# KiCad board PANEL_DRY_ELECTRODES.kicad_pcb (continued)
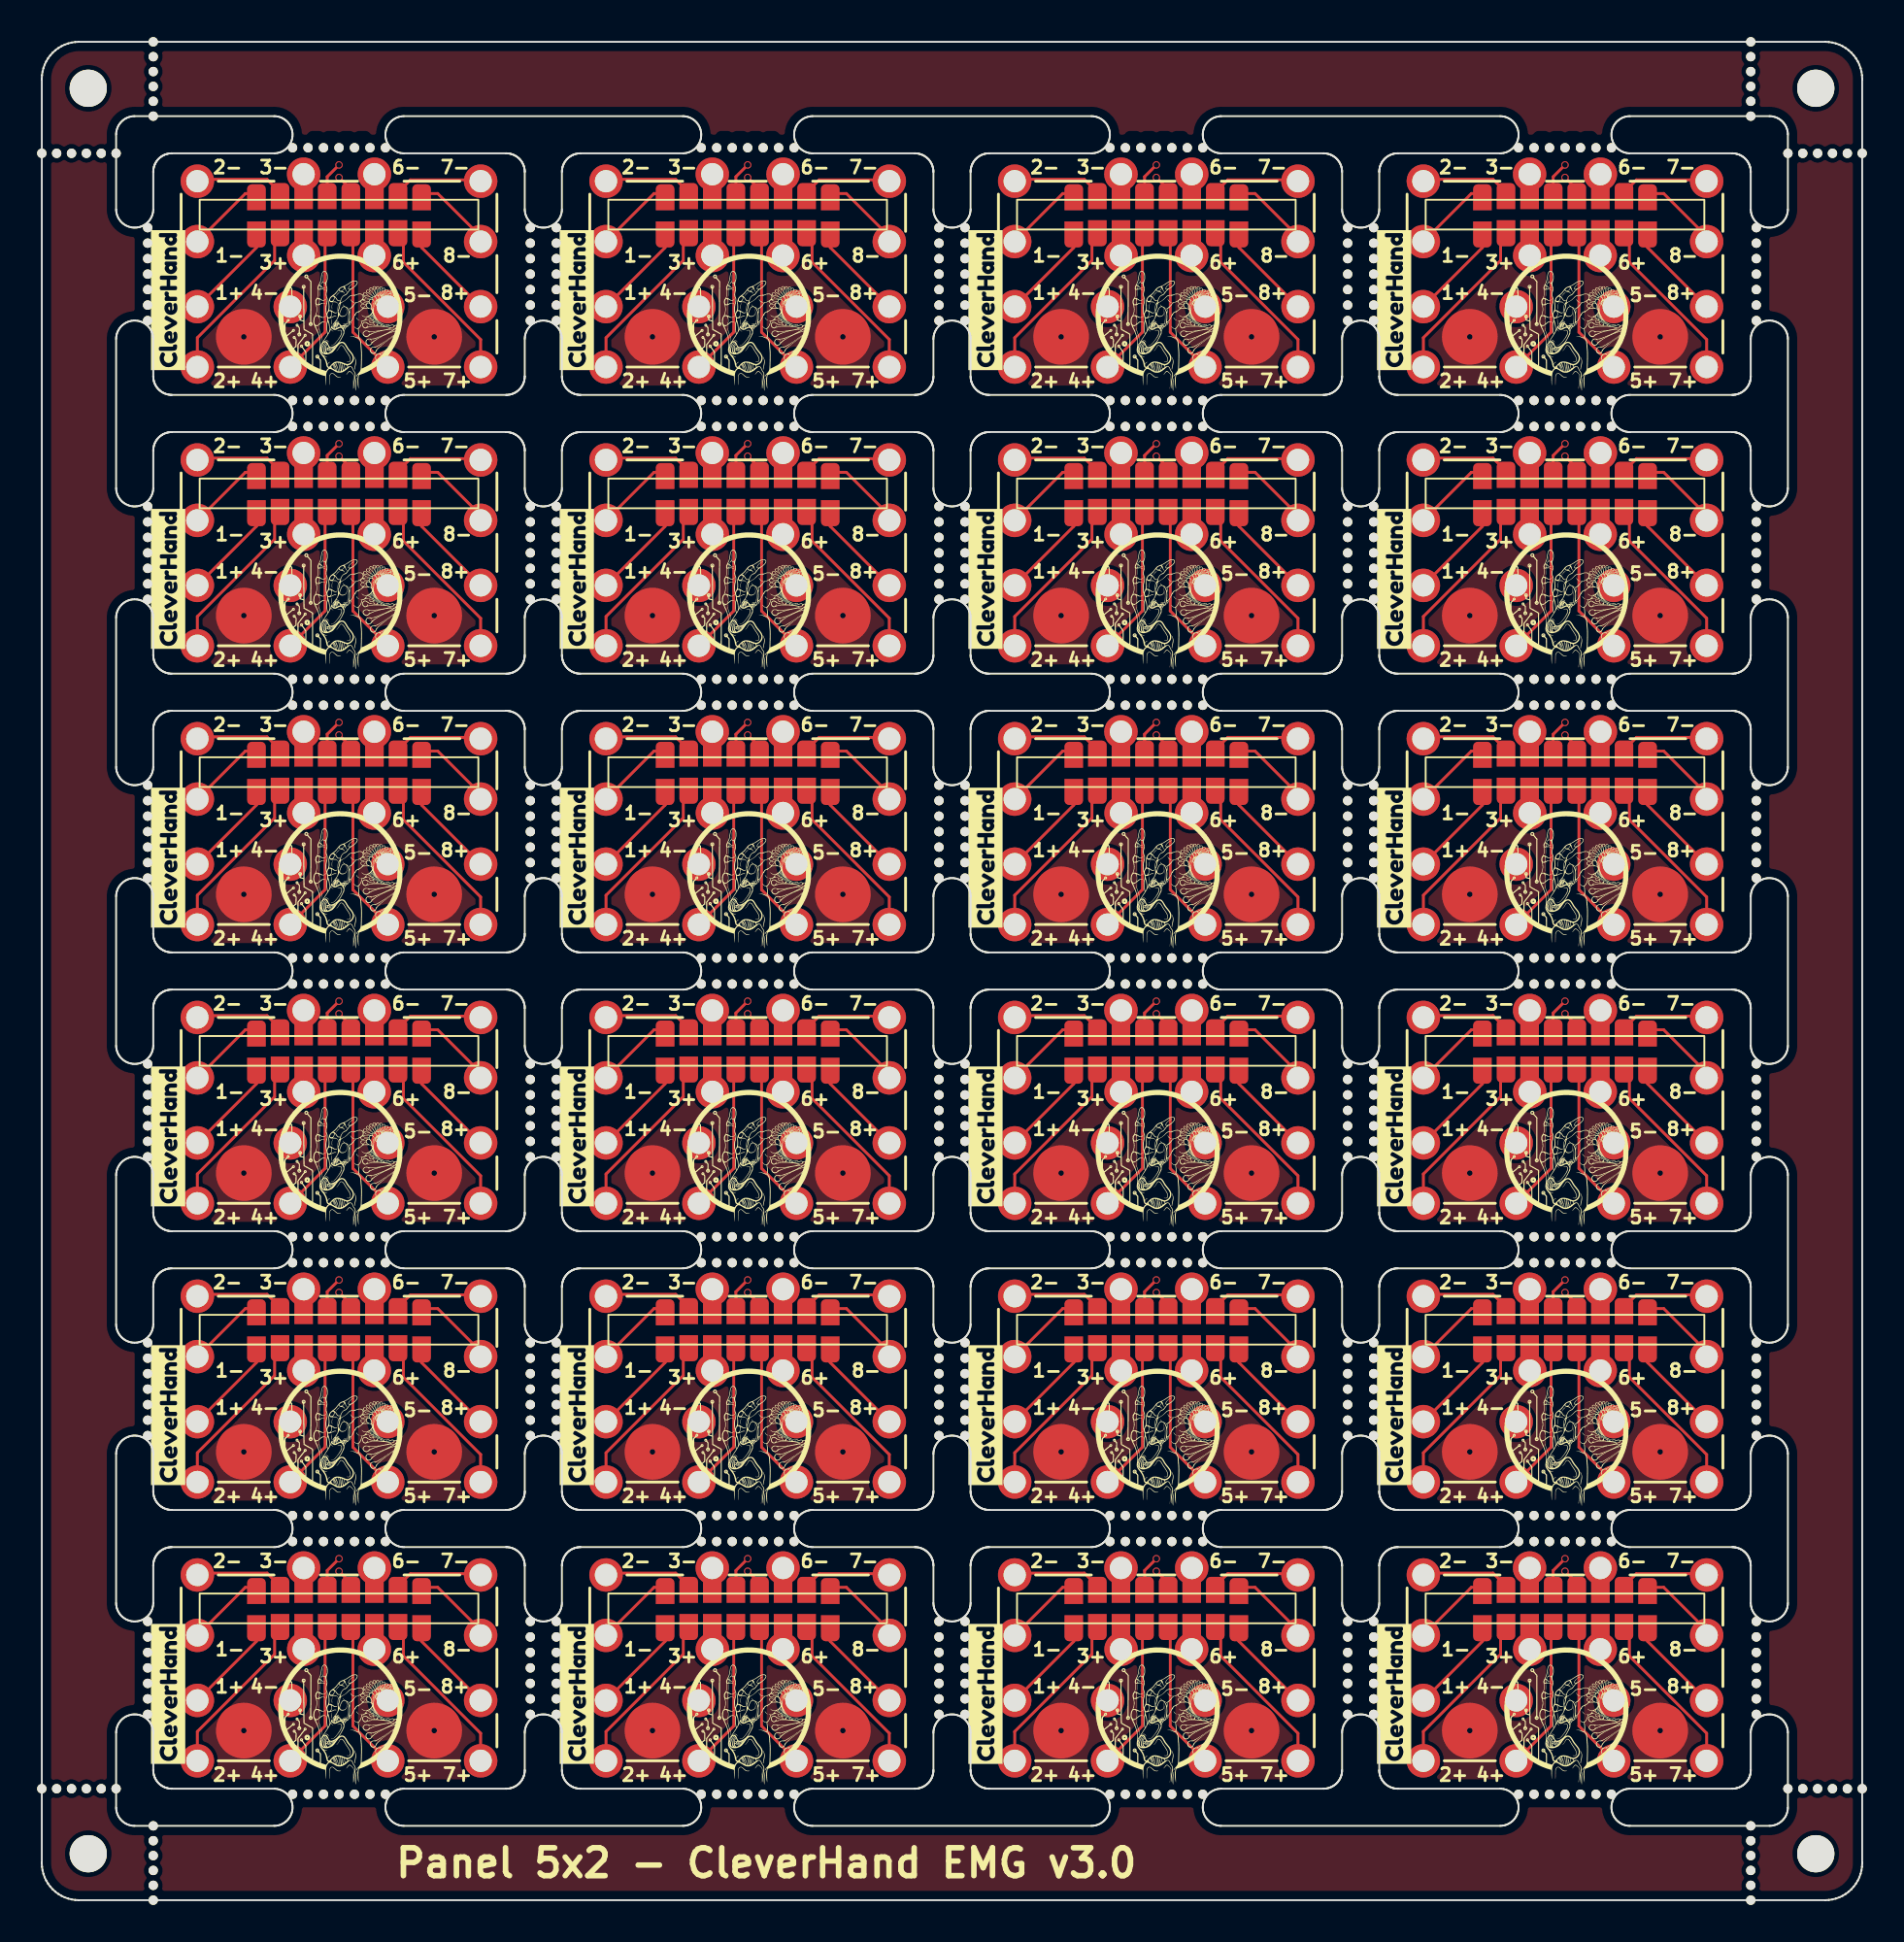
[diagram p0: board, top side]
## Routing (per net, layer and track width the routed paths; a pad name or vN(x,y) marks a point on that pad's centre or on a via; arc(x,y) is an arc through that point) (continued)
Board_22-/in1-: length 4.3
  Top w0.152: J17#4.1 54.96,16.83 J1#15.1
Board_22-/in2+: length 8.8
  Top w0.152: J10#17.1 56.53,14.21 56.53,13.23 52.38,9.08 J26#19.1
Board_22-/in2-: length 4.8
  Top w0.152: J18#12.1 52.48,17.6 56.12,17.6 J2#18.1
Board_22-/in4+: length 7.8
  Top w0.152: J28#11.1 59.25,9.38 59.25,14.5
Board_22-/in4-: length 10.5
  Top w0.152: v1(60,18.38) 59.37,17.74 J4#14.1
  In2.Cu w0.152: v1(60,18.38) 59.57,17.95 59.57,12.95 J20#22.1
Board_22-/in5+: length 7.8
  Top w0.152: 60.75,14.5 60.75,9.38 J29#2.1
Board_22-/in5-: length 9.1
  Top w0.152: v1(60,17.7) 60.63,17.06 J5#21.1
  In2.Cu w0.152: J21#17.1 60.6,12.78 60.6,17.1 v1(60,17.7)
Board_22-/in7+: length 8.8
  Top w0.152: J31#9.1 67.62,8.98 63.47,13.14 63.47,14.21 J15#18.1
Board_22-/in7-: length 4.8
  Top w0.152: J7#11.1 63.85,17.57 67.55,17.57 J23#24.1
Board_22-/in8+: length 5
  Top w0.152: J32#16.1 64.44,13.93 J16#6.1
Board_22-/in8-: length 4.4
  Top w0.152: J24#7.1 67.62,14.53 65.31,16.83 J8#22.1
Board_22-GND:
  vias: v1(54.88,9.12) v1(65.12,9.12)
Board_23-/in1+: length 5
  Top w0.152: J25#14.1 77.56,13.93 J9#8.1
Board_23-/in1-: length 4.3
  Top w0.152: J17#20.1 76.96,16.83 J1#4.1
Board_23-/in2+: length 8.8
  Top w0.152: J26#15.1 74.38,9.08 78.53,13.23 78.53,14.21 J10#6.1
Board_23-/in2-: length 4.8
  Top w0.152: J2#15.1 78.12,17.6 74.47,17.6 J18#2.1
Board_23-/in4+: length 7.8
  Top w0.152: 81.25,14.5 81.25,9.38 J28#8.1
Board_23-/in4-: length 10.5
  Top w0.152: J4#16.1 81.37,17.74 v1(82,18.38)
  In2.Cu w0.152: J20#16.1 81.57,12.95 81.57,17.95 v1(82,18.38)
Board_23-/in5+: length 7.8
  Top w0.152: 82.75,14.5 82.75,9.38 J29#20.1
Board_23-/in5-: length 9.1
  Top w0.152: J5#2.1 82.63,17.06 v1(82,17.7)
  In2.Cu w0.152: J21#9.1 82.6,12.78 82.6,17.1 v1(82,17.7)
Board_23-/in7+: length 8.8
  Top w0.152: J31#15.1 89.62,8.98 85.47,13.14 85.47,14.21 J15#19.1
Board_23-/in7-: length 4.8
  Top w0.152: J23#4.1 89.55,17.57 85.85,17.57 J7#9.1
Board_23-/in8+: length 5
  Top w0.152: J32#7.1 86.44,13.93 J16#7.1
Board_23-/in8-: length 4.4
  Top w0.152: J8.1 87.31,16.83 89.62,14.53 J24#2.1
Board_23-GND:
  vias: v1(76.88,9.12) v1(87.12,9.12)

## Copper pours and planes (outline as drawn; the poured copper is in the pictures)
(no net) on Top: 0.53,1.71 0.57,1.56 0.61,1.43 0.68,1.29 0.75,1.17 0.84,1.05 0.94,0.94 1.05,0.84 1.17,0.75 1.29,0.68 1.43,0.61 1.56,0.57 1.71,0.53 1.85,0.51 2.02,0.5 95.98,0.5 96.15,0.51 96.29,0.53 96.44,0.57 96.57,0.61 96.71,0.68 96.83,0.75 96.95,0.84 97.06,0.94 97.16,1.05 97.25,1.17 97.32,1.29 97.39,1.43 97.43,1.56 97.47,1.71 97.49,1.85 97.5,2.02 97.5,97.98 97.49,98.15 97.47,98.29 97.43,98.44 97.39,98.57 97.32,98.71 97.25,98.83 97.16,98.95 97.06,99.06 96.95,99.16 96.83,99.25 96.71,99.32 96.57,99.39 96.44,99.43 96.29,99.47 96.15,99.49 95.98,99.5 2.02,99.5 1.85,99.49 1.71,99.47 1.56,99.43 1.43,99.39 1.29,99.32 1.17,99.25 1.05,99.16 0.94,99.06 0.84,98.95 0.75,98.83 0.68,98.71 0.61,98.57 0.57,98.44 0.53,98.29 0.51,98.15 0.5,97.98 0.5,2.02 0.51,1.85 ; 1 cut-out
(no net) on Bottom: 0.53,1.71 0.57,1.56 0.61,1.43 0.68,1.29 0.75,1.17 0.84,1.05 0.94,0.94 1.05,0.84 1.17,0.75 1.29,0.68 1.43,0.61 1.56,0.57 1.71,0.53 1.85,0.51 2.02,0.5 95.98,0.5 96.15,0.51 96.29,0.53 96.44,0.57 96.57,0.61 96.71,0.68 96.83,0.75 96.95,0.84 97.06,0.94 97.16,1.05 97.25,1.17 97.32,1.29 97.39,1.43 97.43,1.56 97.47,1.71 97.49,1.85 97.5,2.02 97.5,97.98 97.49,98.15 97.47,98.29 97.43,98.44 97.39,98.57 97.32,98.71 97.25,98.83 97.16,98.95 97.06,99.06 96.95,99.16 96.83,99.25 96.71,99.32 96.57,99.39 96.44,99.43 96.29,99.47 96.15,99.49 95.98,99.5 2.02,99.5 1.85,99.49 1.71,99.47 1.56,99.43 1.43,99.39 1.29,99.32 1.17,99.25 1.05,99.16 0.94,99.06 0.84,98.95 0.75,98.83 0.68,98.71 0.61,98.57 0.57,98.44 0.53,98.29 0.51,98.15 0.5,97.98 0.5,2.02 0.51,1.85 ; 1 cut-out
Board_0-/in1+ on Bottom: 6,87.25 10.75,87.25 10.75,84.25 6,84.25
Board_0-/in1- on Bottom: 6,90.75 10.75,90.75 10.75,87.75 6,87.75
Board_0-/in2+ on Bottom: 6,84 10.75,84 10.75,81 6,81
Board_0-/in2- on Bottom: 6,94 10.75,94 10.75,91 6,91
Board_0-/in3+ on Bottom: 11,90.75 15.75,90.75 15.75,87.75 11,87.75
Board_0-/in3- on Bottom: 11,94 15.75,94 15.75,91 11,91
Board_0-/in4+ on Bottom: 11,84 15.75,84 15.75,81 11,81
Board_0-/in4- on Bottom: 11,87.25 15.75,87.25 15.75,84.25 11,84.25
Board_0-/in5+ on Bottom: 16.25,84 21,84 21,81 16.25,81
Board_0-/in5- on Bottom: 16.25,87.25 21,87.25 21,84.25 16.25,84.25
Board_0-/in6+ on Bottom: 16.25,90.75 21,90.75 21,87.75 16.25,87.75
Board_0-/in6- on Bottom: 16.25,94 21,94 21,91 16.25,91
Board_0-/in7+ on Bottom: 21.25,84 26,84 26,81 21.25,81
Board_0-/in7- on Bottom: 21.25,94 26,94 26,91 21.25,91
Board_0-/in8+ on Bottom: 21.25,87.25 26,87.25 26,84.25 21.25,84.25
Board_0-/in8- on Bottom: 21.25,90.75 26,90.75 26,87.75 21.25,87.75
Board_0-GND on Top, In1.Cu, In2.Cu: 5.5,95 26.5,95 26.5,80.5 5.5,80.5
Board_1-/in1+ on Bottom: 28,87.25 32.75,87.25 32.75,84.25 28,84.25
Board_1-/in1- on Bottom: 28,90.75 32.75,90.75 32.75,87.75 28,87.75
Board_1-/in2+ on Bottom: 28,84 32.75,84 32.75,81 28,81
Board_1-/in2- on Bottom: 28,94 32.75,94 32.75,91 28,91
Board_1-/in3+ on Bottom: 33,90.75 37.75,90.75 37.75,87.75 33,87.75
Board_1-/in3- on Bottom: 33,94 37.75,94 37.75,91 33,91
Board_1-/in4+ on Bottom: 33,84 37.75,84 37.75,81 33,81
Board_1-/in4- on Bottom: 33,87.25 37.75,87.25 37.75,84.25 33,84.25
Board_1-/in5+ on Bottom: 38.25,84 43,84 43,81 38.25,81
Board_1-/in5- on Bottom: 38.25,87.25 43,87.25 43,84.25 38.25,84.25
Board_1-/in6+ on Bottom: 38.25,90.75 43,90.75 43,87.75 38.25,87.75
Board_1-/in6- on Bottom: 38.25,94 43,94 43,91 38.25,91
Board_1-/in7+ on Bottom: 43.25,84 48,84 48,81 43.25,81
Board_1-/in7- on Bottom: 43.25,94 48,94 48,91 43.25,91
Board_1-/in8+ on Bottom: 43.25,87.25 48,87.25 48,84.25 43.25,84.25
Board_1-/in8- on Bottom: 43.25,90.75 48,90.75 48,87.75 43.25,87.75
Board_1-GND on Top, In1.Cu, In2.Cu: 27.5,95 48.5,95 48.5,80.5 27.5,80.5
Board_2-/in1+ on Bottom: 50,87.25 54.75,87.25 54.75,84.25 50,84.25
Board_2-/in1- on Bottom: 50,90.75 54.75,90.75 54.75,87.75 50,87.75
Board_2-/in2+ on Bottom: 50,84 54.75,84 54.75,81 50,81
Board_2-/in2- on Bottom: 50,94 54.75,94 54.75,91 50,91
Board_2-/in3+ on Bottom: 55,90.75 59.75,90.75 59.75,87.75 55,87.75
Board_2-/in3- on Bottom: 55,94 59.75,94 59.75,91 55,91
Board_2-/in4+ on Bottom: 55,84 59.75,84 59.75,81 55,81
Board_2-/in4- on Bottom: 55,87.25 59.75,87.25 59.75,84.25 55,84.25
Board_2-/in5+ on Bottom: 60.25,84 65,84 65,81 60.25,81
Board_2-/in5- on Bottom: 60.25,87.25 65,87.25 65,84.25 60.25,84.25
Board_2-/in6+ on Bottom: 60.25,90.75 65,90.75 65,87.75 60.25,87.75
Board_2-/in6- on Bottom: 60.25,94 65,94 65,91 60.25,91
Board_2-/in7+ on Bottom: 65.25,84 70,84 70,81 65.25,81
Board_2-/in7- on Bottom: 65.25,94 70,94 70,91 65.25,91
Board_2-/in8+ on Bottom: 65.25,87.25 70,87.25 70,84.25 65.25,84.25
Board_2-/in8- on Bottom: 65.25,90.75 70,90.75 70,87.75 65.25,87.75
Board_2-GND on Top, In1.Cu, In2.Cu: 49.5,95 70.5,95 70.5,80.5 49.5,80.5
Board_3-/in1+ on Bottom: 72,87.25 76.75,87.25 76.75,84.25 72,84.25
Board_3-/in1- on Bottom: 72,90.75 76.75,90.75 76.75,87.75 72,87.75
Board_3-/in2+ on Bottom: 72,84 76.75,84 76.75,81 72,81
Board_3-/in2- on Bottom: 72,94 76.75,94 76.75,91 72,91
Board_3-/in3+ on Bottom: 77,90.75 81.75,90.75 81.75,87.75 77,87.75
Board_3-/in3- on Bottom: 77,94 81.75,94 81.75,91 77,91
Board_3-/in4+ on Bottom: 77,84 81.75,84 81.75,81 77,81
Board_3-/in4- on Bottom: 77,87.25 81.75,87.25 81.75,84.25 77,84.25
Board_3-/in5+ on Bottom: 82.25,84 87,84 87,81 82.25,81
Board_3-/in5- on Bottom: 82.25,87.25 87,87.25 87,84.25 82.25,84.25
Board_3-/in6+ on Bottom: 82.25,90.75 87,90.75 87,87.75 82.25,87.75
Board_3-/in6- on Bottom: 82.25,94 87,94 87,91 82.25,91
Board_3-/in7+ on Bottom: 87.25,84 92,84 92,81 87.25,81
Board_3-/in7- on Bottom: 87.25,94 92,94 92,91 87.25,91
Board_3-/in8+ on Bottom: 87.25,87.25 92,87.25 92,84.25 87.25,84.25
Board_3-/in8- on Bottom: 87.25,90.75 92,90.75 92,87.75 87.25,87.75
Board_3-GND on Top, In1.Cu, In2.Cu: 71.5,95 92.5,95 92.5,80.5 71.5,80.5
Board_4-/in1+ on Bottom: 6,72.25 10.75,72.25 10.75,69.25 6,69.25
Board_4-/in1- on Bottom: 6,75.75 10.75,75.75 10.75,72.75 6,72.75
Board_4-/in2+ on Bottom: 6,69 10.75,69 10.75,66 6,66
Board_4-/in2- on Bottom: 6,79 10.75,79 10.75,76 6,76
Board_4-/in3+ on Bottom: 11,75.75 15.75,75.75 15.75,72.75 11,72.75
Board_4-/in3- on Bottom: 11,79 15.75,79 15.75,76 11,76
Board_4-/in4+ on Bottom: 11,69 15.75,69 15.75,66 11,66
Board_4-/in4- on Bottom: 11,72.25 15.75,72.25 15.75,69.25 11,69.25
Board_4-/in5+ on Bottom: 16.25,69 21,69 21,66 16.25,66
Board_4-/in5- on Bottom: 16.25,72.25 21,72.25 21,69.25 16.25,69.25
Board_4-/in6+ on Bottom: 16.25,75.75 21,75.75 21,72.75 16.25,72.75
Board_4-/in6- on Bottom: 16.25,79 21,79 21,76 16.25,76
Board_4-/in7+ on Bottom: 21.25,69 26,69 26,66 21.25,66
Board_4-/in7- on Bottom: 21.25,79 26,79 26,76 21.25,76
Board_4-/in8+ on Bottom: 21.25,72.25 26,72.25 26,69.25 21.25,69.25
Board_4-/in8- on Bottom: 21.25,75.75 26,75.75 26,72.75 21.25,72.75
Board_4-GND on Top, In1.Cu, In2.Cu: 5.5,80 26.5,80 26.5,65.5 5.5,65.5
Board_5-/in1+ on Bottom: 28,72.25 32.75,72.25 32.75,69.25 28,69.25
Board_5-/in1- on Bottom: 28,75.75 32.75,75.75 32.75,72.75 28,72.75
Board_5-/in2+ on Bottom: 28,69 32.75,69 32.75,66 28,66
Board_5-/in2- on Bottom: 28,79 32.75,79 32.75,76 28,76
Board_5-/in3+ on Bottom: 33,75.75 37.75,75.75 37.75,72.75 33,72.75
Board_5-/in3- on Bottom: 33,79 37.75,79 37.75,76 33,76
Board_5-/in4+ on Bottom: 33,69 37.75,69 37.75,66 33,66
Board_5-/in4- on Bottom: 33,72.25 37.75,72.25 37.75,69.25 33,69.25
Board_5-/in5+ on Bottom: 38.25,69 43,69 43,66 38.25,66
Board_5-/in5- on Bottom: 38.25,72.25 43,72.25 43,69.25 38.25,69.25
Board_5-/in6+ on Bottom: 38.25,75.75 43,75.75 43,72.75 38.25,72.75
Board_5-/in6- on Bottom: 38.25,79 43,79 43,76 38.25,76
Board_5-/in7+ on Bottom: 43.25,69 48,69 48,66 43.25,66
Board_5-/in7- on Bottom: 43.25,79 48,79 48,76 43.25,76
Board_5-/in8+ on Bottom: 43.25,72.25 48,72.25 48,69.25 43.25,69.25
Board_5-/in8- on Bottom: 43.25,75.75 48,75.75 48,72.75 43.25,72.75
Board_5-GND on Top, In1.Cu, In2.Cu: 27.5,80 48.5,80 48.5,65.5 27.5,65.5
Board_6-/in1+ on Bottom: 50,72.25 54.75,72.25 54.75,69.25 50,69.25
Board_6-/in1- on Bottom: 50,75.75 54.75,75.75 54.75,72.75 50,72.75
Board_6-/in2+ on Bottom: 50,69 54.75,69 54.75,66 50,66
Board_6-/in2- on Bottom: 50,79 54.75,79 54.75,76 50,76
Board_6-/in3+ on Bottom: 55,75.75 59.75,75.75 59.75,72.75 55,72.75
Board_6-/in3- on Bottom: 55,79 59.75,79 59.75,76 55,76
Board_6-/in4+ on Bottom: 55,69 59.75,69 59.75,66 55,66
Board_6-/in4- on Bottom: 55,72.25 59.75,72.25 59.75,69.25 55,69.25
Board_6-/in5+ on Bottom: 60.25,69 65,69 65,66 60.25,66
Board_6-/in5- on Bottom: 60.25,72.25 65,72.25 65,69.25 60.25,69.25
Board_6-/in6+ on Bottom: 60.25,75.75 65,75.75 65,72.75 60.25,72.75
Board_6-/in6- on Bottom: 60.25,79 65,79 65,76 60.25,76
Board_6-/in7+ on Bottom: 65.25,69 70,69 70,66 65.25,66
Board_6-/in7- on Bottom: 65.25,79 70,79 70,76 65.25,76
Board_6-/in8+ on Bottom: 65.25,72.25 70,72.25 70,69.25 65.25,69.25
Board_6-/in8- on Bottom: 65.25,75.75 70,75.75 70,72.75 65.25,72.75
Board_6-GND on Top, In1.Cu, In2.Cu: 49.5,80 70.5,80 70.5,65.5 49.5,65.5
Board_7-/in1+ on Bottom: 72,72.25 76.75,72.25 76.75,69.25 72,69.25
Board_7-/in1- on Bottom: 72,75.75 76.75,75.75 76.75,72.75 72,72.75
Board_7-/in2+ on Bottom: 72,69 76.75,69 76.75,66 72,66
Board_7-/in2- on Bottom: 72,79 76.75,79 76.75,76 72,76
Board_7-/in3+ on Bottom: 77,75.75 81.75,75.75 81.75,72.75 77,72.75
Board_7-/in3- on Bottom: 77,79 81.75,79 81.75,76 77,76
Board_7-/in4+ on Bottom: 77,69 81.75,69 81.75,66 77,66
Board_7-/in4- on Bottom: 77,72.25 81.75,72.25 81.75,69.25 77,69.25
Board_7-/in5+ on Bottom: 82.25,69 87,69 87,66 82.25,66
Board_7-/in5- on Bottom: 82.25,72.25 87,72.25 87,69.25 82.25,69.25
Board_7-/in6+ on Bottom: 82.25,75.75 87,75.75 87,72.75 82.25,72.75
Board_7-/in6- on Bottom: 82.25,79 87,79 87,76 82.25,76
Board_7-/in7+ on Bottom: 87.25,69 92,69 92,66 87.25,66
Board_7-/in7- on Bottom: 87.25,79 92,79 92,76 87.25,76
Board_7-/in8+ on Bottom: 87.25,72.25 92,72.25 92,69.25 87.25,69.25
Board_7-/in8- on Bottom: 87.25,75.75 92,75.75 92,72.75 87.25,72.75
Board_7-GND on Top, In1.Cu, In2.Cu: 71.5,80 92.5,80 92.5,65.5 71.5,65.5
Board_8-/in1+ on Bottom: 6,57.25 10.75,57.25 10.75,54.25 6,54.25
Board_8-/in1- on Bottom: 6,60.75 10.75,60.75 10.75,57.75 6,57.75
Board_8-/in2+ on Bottom: 6,54 10.75,54 10.75,51 6,51
Board_8-/in2- on Bottom: 6,64 10.75,64 10.75,61 6,61
Board_8-/in3+ on Bottom: 11,60.75 15.75,60.75 15.75,57.75 11,57.75
Board_8-/in3- on Bottom: 11,64 15.75,64 15.75,61 11,61
Board_8-/in4+ on Bottom: 11,54 15.75,54 15.75,51 11,51
Board_8-/in4- on Bottom: 11,57.25 15.75,57.25 15.75,54.25 11,54.25
Board_8-/in5+ on Bottom: 16.25,54 21,54 21,51 16.25,51
Board_8-/in5- on Bottom: 16.25,57.25 21,57.25 21,54.25 16.25,54.25
Board_8-/in6+ on Bottom: 16.25,60.75 21,60.75 21,57.75 16.25,57.75
Board_8-/in6- on Bottom: 16.25,64 21,64 21,61 16.25,61
Board_8-/in7+ on Bottom: 21.25,54 26,54 26,51 21.25,51
Board_8-/in7- on Bottom: 21.25,64 26,64 26,61 21.25,61
Board_8-/in8+ on Bottom: 21.25,57.25 26,57.25 26,54.25 21.25,54.25
Board_8-/in8- on Bottom: 21.25,60.75 26,60.75 26,57.75 21.25,57.75
Board_8-GND on Top, In1.Cu, In2.Cu: 5.5,65 26.5,65 26.5,50.5 5.5,50.5
Board_9-/in1+ on Bottom: 28,57.25 32.75,57.25 32.75,54.25 28,54.25
Board_9-/in1- on Bottom: 28,60.75 32.75,60.75 32.75,57.75 28,57.75
Board_9-/in2+ on Bottom: 28,54 32.75,54 32.75,51 28,51
Board_9-/in2- on Bottom: 28,64 32.75,64 32.75,61 28,61
Board_9-/in3+ on Bottom: 33,60.75 37.75,60.75 37.75,57.75 33,57.75
Board_9-/in3- on Bottom: 33,64 37.75,64 37.75,61 33,61
Board_9-/in4+ on Bottom: 33,54 37.75,54 37.75,51 33,51
Board_9-/in4- on Bottom: 33,57.25 37.75,57.25 37.75,54.25 33,54.25
Board_9-/in5+ on Bottom: 38.25,54 43,54 43,51 38.25,51
Board_9-/in5- on Bottom: 38.25,57.25 43,57.25 43,54.25 38.25,54.25
Board_9-/in6+ on Bottom: 38.25,60.75 43,60.75 43,57.75 38.25,57.75
Board_9-/in6- on Bottom: 38.25,64 43,64 43,61 38.25,61
Board_9-/in7+ on Bottom: 43.25,54 48,54 48,51 43.25,51
Board_9-/in7- on Bottom: 43.25,64 48,64 48,61 43.25,61
Board_9-/in8+ on Bottom: 43.25,57.25 48,57.25 48,54.25 43.25,54.25
Board_9-/in8- on Bottom: 43.25,60.75 48,60.75 48,57.75 43.25,57.75
Board_9-GND on Top, In1.Cu, In2.Cu: 27.5,65 48.5,65 48.5,50.5 27.5,50.5
Board_10-/in1+ on Bottom: 50,57.25 54.75,57.25 54.75,54.25 50,54.25
Board_10-/in1- on Bottom: 50,60.75 54.75,60.75 54.75,57.75 50,57.75
Board_10-/in2+ on Bottom: 50,54 54.75,54 54.75,51 50,51
Board_10-/in2- on Bottom: 50,64 54.75,64 54.75,61 50,61
Board_10-/in3+ on Bottom: 55,60.75 59.75,60.75 59.75,57.75 55,57.75
Board_10-/in3- on Bottom: 55,64 59.75,64 59.75,61 55,61
Board_10-/in4+ on Bottom: 55,54 59.75,54 59.75,51 55,51
Board_10-/in4- on Bottom: 55,57.25 59.75,57.25 59.75,54.25 55,54.25
Board_10-/in5+ on Bottom: 60.25,54 65,54 65,51 60.25,51
Board_10-/in5- on Bottom: 60.25,57.25 65,57.25 65,54.25 60.25,54.25
Board_10-/in6+ on Bottom: 60.25,60.75 65,60.75 65,57.75 60.25,57.75
Board_10-/in6- on Bottom: 60.25,64 65,64 65,61 60.25,61
Board_10-/in7+ on Bottom: 65.25,54 70,54 70,51 65.25,51
Board_10-/in7- on Bottom: 65.25,64 70,64 70,61 65.25,61
Board_10-/in8+ on Bottom: 65.25,57.25 70,57.25 70,54.25 65.25,54.25
Board_10-/in8- on Bottom: 65.25,60.75 70,60.75 70,57.75 65.25,57.75
Board_10-GND on Top, In1.Cu, In2.Cu: 49.5,65 70.5,65 70.5,50.5 49.5,50.5
Board_11-/in1+ on Bottom: 72,57.25 76.75,57.25 76.75,54.25 72,54.25
Board_11-/in1- on Bottom: 72,60.75 76.75,60.75 76.75,57.75 72,57.75
Board_11-/in2+ on Bottom: 72,54 76.75,54 76.75,51 72,51
Board_11-/in2- on Bottom: 72,64 76.75,64 76.75,61 72,61
Board_11-/in3+ on Bottom: 77,60.75 81.75,60.75 81.75,57.75 77,57.75
Board_11-/in3- on Bottom: 77,64 81.75,64 81.75,61 77,61
Board_11-/in4+ on Bottom: 77,54 81.75,54 81.75,51 77,51
Board_11-/in4- on Bottom: 77,57.25 81.75,57.25 81.75,54.25 77,54.25
Board_11-/in5+ on Bottom: 82.25,54 87,54 87,51 82.25,51
Board_11-/in5- on Bottom: 82.25,57.25 87,57.25 87,54.25 82.25,54.25
Board_11-/in6+ on Bottom: 82.25,60.75 87,60.75 87,57.75 82.25,57.75
Board_11-/in6- on Bottom: 82.25,64 87,64 87,61 82.25,61
Board_11-/in7+ on Bottom: 87.25,54 92,54 92,51 87.25,51
Board_11-/in7- on Bottom: 87.25,64 92,64 92,61 87.25,61
Board_11-/in8+ on Bottom: 87.25,57.25 92,57.25 92,54.25 87.25,54.25
Board_11-/in8- on Bottom: 87.25,60.75 92,60.75 92,57.75 87.25,57.75
Board_11-GND on Top, In1.Cu, In2.Cu: 71.5,65 92.5,65 92.5,50.5 71.5,50.5
Board_12-/in1+ on Bottom: 6,42.25 10.75,42.25 10.75,39.25 6,39.25
Board_12-/in1- on Bottom: 6,45.75 10.75,45.75 10.75,42.75 6,42.75
Board_12-/in2+ on Bottom: 6,39 10.75,39 10.75,36 6,36
Board_12-/in2- on Bottom: 6,49 10.75,49 10.75,46 6,46
Board_12-/in3+ on Bottom: 11,45.75 15.75,45.75 15.75,42.75 11,42.75
Board_12-/in3- on Bottom: 11,49 15.75,49 15.75,46 11,46
Board_12-/in4+ on Bottom: 11,39 15.75,39 15.75,36 11,36
Board_12-/in4- on Bottom: 11,42.25 15.75,42.25 15.75,39.25 11,39.25
Board_12-/in5+ on Bottom: 16.25,39 21,39 21,36 16.25,36
Board_12-/in5- on Bottom: 16.25,42.25 21,42.25 21,39.25 16.25,39.25
Board_12-/in6+ on Bottom: 16.25,45.75 21,45.75 21,42.75 16.25,42.75
Board_12-/in6- on Bottom: 16.25,49 21,49 21,46 16.25,46
Board_12-/in7+ on Bottom: 21.25,39 26,39 26,36 21.25,36
Board_12-/in7- on Bottom: 21.25,49 26,49 26,46 21.25,46
Board_12-/in8+ on Bottom: 21.25,42.25 26,42.25 26,39.25 21.25,39.25
Board_12-/in8- on Bottom: 21.25,45.75 26,45.75 26,42.75 21.25,42.75
Board_12-GND on Top, In1.Cu, In2.Cu: 5.5,50 26.5,50 26.5,35.5 5.5,35.5
Board_13-/in1+ on Bottom: 28,42.25 32.75,42.25 32.75,39.25 28,39.25
Board_13-/in1- on Bottom: 28,45.75 32.75,45.75 32.75,42.75 28,42.75
Board_13-/in2+ on Bottom: 28,39 32.75,39 32.75,36 28,36
Board_13-/in2- on Bottom: 28,49 32.75,49 32.75,46 28,46
Board_13-/in3+ on Bottom: 33,45.75 37.75,45.75 37.75,42.75 33,42.75
Board_13-/in3- on Bottom: 33,49 37.75,49 37.75,46 33,46
Board_13-/in4+ on Bottom: 33,39 37.75,39 37.75,36 33,36
Board_13-/in4- on Bottom: 33,42.25 37.75,42.25 37.75,39.25 33,39.25
Board_13-/in5+ on Bottom: 38.25,39 43,39 43,36 38.25,36
Board_13-/in5- on Bottom: 38.25,42.25 43,42.25 43,39.25 38.25,39.25
Board_13-/in6+ on Bottom: 38.25,45.75 43,45.75 43,42.75 38.25,42.75
Board_13-/in6- on Bottom: 38.25,49 43,49 43,46 38.25,46
Board_13-/in7+ on Bottom: 43.25,39 48,39 48,36 43.25,36
Board_13-/in7- on Bottom: 43.25,49 48,49 48,46 43.25,46
Board_13-/in8+ on Bottom: 43.25,42.25 48,42.25 48,39.25 43.25,39.25
Board_13-/in8- on Bottom: 43.25,45.75 48,45.75 48,42.75 43.25,42.75
Board_13-GND on Top, In1.Cu, In2.Cu: 27.5,50 48.5,50 48.5,35.5 27.5,35.5
Board_14-/in1+ on Bottom: 50,42.25 54.75,42.25 54.75,39.25 50,39.25
Board_14-/in1- on Bottom: 50,45.75 54.75,45.75 54.75,42.75 50,42.75
Board_14-/in2+ on Bottom: 50,39 54.75,39 54.75,36 50,36
Board_14-/in2- on Bottom: 50,49 54.75,49 54.75,46 50,46
Board_14-/in3+ on Bottom: 55,45.75 59.75,45.75 59.75,42.75 55,42.75
Board_14-/in3- on Bottom: 55,49 59.75,49 59.75,46 55,46
Board_14-/in4+ on Bottom: 55,39 59.75,39 59.75,36 55,36
Board_14-/in4- on Bottom: 55,42.25 59.75,42.25 59.75,39.25 55,39.25
Board_14-/in5+ on Bottom: 60.25,39 65,39 65,36 60.25,36
Board_14-/in5- on Bottom: 60.25,42.25 65,42.25 65,39.25 60.25,39.25
Board_14-/in6+ on Bottom: 60.25,45.75 65,45.75 65,42.75 60.25,42.75
Board_14-/in6- on Bottom: 60.25,49 65,49 65,46 60.25,46
Board_14-/in7+ on Bottom: 65.25,39 70,39 70,36 65.25,36
Board_14-/in7- on Bottom: 65.25,49 70,49 70,46 65.25,46
Board_14-/in8+ on Bottom: 65.25,42.25 70,42.25 70,39.25 65.25,39.25
Board_14-/in8- on Bottom: 65.25,45.75 70,45.75 70,42.75 65.25,42.75
Board_14-GND on Top, In1.Cu, In2.Cu: 49.5,50 70.5,50 70.5,35.5 49.5,35.5
Board_15-/in1+ on Bottom: 72,42.25 76.75,42.25 76.75,39.25 72,39.25
Board_15-/in1- on Bottom: 72,45.75 76.75,45.75 76.75,42.75 72,42.75
Board_15-/in2+ on Bottom: 72,39 76.75,39 76.75,36 72,36
Board_15-/in2- on Bottom: 72,49 76.75,49 76.75,46 72,46
Board_15-/in3+ on Bottom: 77,45.75 81.75,45.75 81.75,42.75 77,42.75
Board_15-/in3- on Bottom: 77,49 81.75,49 81.75,46 77,46
Board_15-/in4+ on Bottom: 77,39 81.75,39 81.75,36 77,36
Board_15-/in4- on Bottom: 77,42.25 81.75,42.25 81.75,39.25 77,39.25
Board_15-/in5+ on Bottom: 82.25,39 87,39 87,36 82.25,36
Board_15-/in5- on Bottom: 82.25,42.25 87,42.25 87,39.25 82.25,39.25
Board_15-/in6+ on Bottom: 82.25,45.75 87,45.75 87,42.75 82.25,42.75
Board_15-/in6- on Bottom: 82.25,49 87,49 87,46 82.25,46
Board_15-/in7+ on Bottom: 87.25,39 92,39 92,36 87.25,36
Board_15-/in7- on Bottom: 87.25,49 92,49 92,46 87.25,46
Board_15-/in8+ on Bottom: 87.25,42.25 92,42.25 92,39.25 87.25,39.25
Board_15-/in8- on Bottom: 87.25,45.75 92,45.75 92,42.75 87.25,42.75
Board_15-GND on Top, In1.Cu, In2.Cu: 71.5,50 92.5,50 92.5,35.5 71.5,35.5
Board_16-/in1+ on Bottom: 6,27.25 10.75,27.25 10.75,24.25 6,24.25
Board_16-/in1- on Bottom: 6,30.75 10.75,30.75 10.75,27.75 6,27.75
Board_16-/in2+ on Bottom: 6,24 10.75,24 10.75,21 6,21
Board_16-/in2- on Bottom: 6,34 10.75,34 10.75,31 6,31
Board_16-/in3+ on Bottom: 11,30.75 15.75,30.75 15.75,27.75 11,27.75
Board_16-/in3- on Bottom: 11,34 15.75,34 15.75,31 11,31
Board_16-/in4+ on Bottom: 11,24 15.75,24 15.75,21 11,21
Board_16-/in4- on Bottom: 11,27.25 15.75,27.25 15.75,24.25 11,24.25
Board_16-/in5+ on Bottom: 16.25,24 21,24 21,21 16.25,21
Board_16-/in5- on Bottom: 16.25,27.25 21,27.25 21,24.25 16.25,24.25
Board_16-/in6+ on Bottom: 16.25,30.75 21,30.75 21,27.75 16.25,27.75
Board_16-/in6- on Bottom: 16.25,34 21,34 21,31 16.25,31
Board_16-/in7+ on Bottom: 21.25,24 26,24 26,21 21.25,21
Board_16-/in7- on Bottom: 21.25,34 26,34 26,31 21.25,31
Board_16-/in8+ on Bottom: 21.25,27.25 26,27.25 26,24.25 21.25,24.25
Board_16-/in8- on Bottom: 21.25,30.75 26,30.75 26,27.75 21.25,27.75
Board_16-GND on Top, In1.Cu, In2.Cu: 5.5,35 26.5,35 26.5,20.5 5.5,20.5
Board_17-/in1+ on Bottom: 28,27.25 32.75,27.25 32.75,24.25 28,24.25
Board_17-/in1- on Bottom: 28,30.75 32.75,30.75 32.75,27.75 28,27.75
Board_17-/in2+ on Bottom: 28,24 32.75,24 32.75,21 28,21
Board_17-/in2- on Bottom: 28,34 32.75,34 32.75,31 28,31
Board_17-/in3+ on Bottom: 33,30.75 37.75,30.75 37.75,27.75 33,27.75
Board_17-/in3- on Bottom: 33,34 37.75,34 37.75,31 33,31
Board_17-/in4+ on Bottom: 33,24 37.75,24 37.75,21 33,21
Board_17-/in4- on Bottom: 33,27.25 37.75,27.25 37.75,24.25 33,24.25
Board_17-/in5+ on Bottom: 38.25,24 43,24 43,21 38.25,21
Board_17-/in5- on Bottom: 38.25,27.25 43,27.25 43,24.25 38.25,24.25
Board_17-/in6+ on Bottom: 38.25,30.75 43,30.75 43,27.75 38.25,27.75
Board_17-/in6- on Bottom: 38.25,34 43,34 43,31 38.25,31
Board_17-/in7+ on Bottom: 43.25,24 48,24 48,21 43.25,21
Board_17-/in7- on Bottom: 43.25,34 48,34 48,31 43.25,31
Board_17-/in8+ on Bottom: 43.25,27.25 48,27.25 48,24.25 43.25,24.25
Board_17-/in8- on Bottom: 43.25,30.75 48,30.75 48,27.75 43.25,27.75
Board_17-GND on Top, In1.Cu, In2.Cu: 27.5,35 48.5,35 48.5,20.5 27.5,20.5
Board_18-/in1+ on Bottom: 50,27.25 54.75,27.25 54.75,24.25 50,24.25
Board_18-/in1- on Bottom: 50,30.75 54.75,30.75 54.75,27.75 50,27.75
Board_18-/in2+ on Bottom: 50,24 54.75,24 54.75,21 50,21
Board_18-/in2- on Bottom: 50,34 54.75,34 54.75,31 50,31
Board_18-/in3+ on Bottom: 55,30.75 59.75,30.75 59.75,27.75 55,27.75
Board_18-/in3- on Bottom: 55,34 59.75,34 59.75,31 55,31
Board_18-/in4+ on Bottom: 55,24 59.75,24 59.75,21 55,21
Board_18-/in4- on Bottom: 55,27.25 59.75,27.25 59.75,24.25 55,24.25
Board_18-/in5+ on Bottom: 60.25,24 65,24 65,21 60.25,21
Board_18-/in5- on Bottom: 60.25,27.25 65,27.25 65,24.25 60.25,24.25
Board_18-/in6+ on Bottom: 60.25,30.75 65,30.75 65,27.75 60.25,27.75
Board_18-/in6- on Bottom: 60.25,34 65,34 65,31 60.25,31
Board_18-/in7+ on Bottom: 65.25,24 70,24 70,21 65.25,21
Board_18-/in7- on Bottom: 65.25,34 70,34 70,31 65.25,31
Board_18-/in8+ on Bottom: 65.25,27.25 70,27.25 70,24.25 65.25,24.25
Board_18-/in8- on Bottom: 65.25,30.75 70,30.75 70,27.75 65.25,27.75
Board_18-GND on Top, In1.Cu, In2.Cu: 49.5,35 70.5,35 70.5,20.5 49.5,20.5
Board_19-/in1+ on Bottom: 72,27.25 76.75,27.25 76.75,24.25 72,24.25
Board_19-/in1- on Bottom: 72,30.75 76.75,30.75 76.75,27.75 72,27.75
Board_19-/in2+ on Bottom: 72,24 76.75,24 76.75,21 72,21
Board_19-/in2- on Bottom: 72,34 76.75,34 76.75,31 72,31
Board_19-/in3+ on Bottom: 77,30.75 81.75,30.75 81.75,27.75 77,27.75
Board_19-/in3- on Bottom: 77,34 81.75,34 81.75,31 77,31
Board_19-/in4+ on Bottom: 77,24 81.75,24 81.75,21 77,21
Board_19-/in4- on Bottom: 77,27.25 81.75,27.25 81.75,24.25 77,24.25
Board_19-/in5+ on Bottom: 82.25,24 87,24 87,21 82.25,21
Board_19-/in5- on Bottom: 82.25,27.25 87,27.25 87,24.25 82.25,24.25
Board_19-/in6+ on Bottom: 82.25,30.75 87,30.75 87,27.75 82.25,27.75
Board_19-/in6- on Bottom: 82.25,34 87,34 87,31 82.25,31
Board_19-/in7+ on Bottom: 87.25,24 92,24 92,21 87.25,21
Board_19-/in7- on Bottom: 87.25,34 92,34 92,31 87.25,31
Board_19-/in8+ on Bottom: 87.25,27.25 92,27.25 92,24.25 87.25,24.25
Board_19-/in8- on Bottom: 87.25,30.75 92,30.75 92,27.75 87.25,27.75
Board_19-GND on Top, In1.Cu, In2.Cu: 71.5,35 92.5,35 92.5,20.5 71.5,20.5
Board_20-/in1+ on Bottom: 6,12.25 10.75,12.25 10.75,9.25 6,9.25
Board_20-/in1- on Bottom: 6,15.75 10.75,15.75 10.75,12.75 6,12.75
